# Altium PCB PCB2.PcbDoc
Units mm, origin at the board's own origin, x right, y up, seen from the top; angles counter-clockwise.
Board outline 60.75 x 60.75 mm, 2 copper layers (Top Layer, Bottom Layer); 85 components, 59 nets, 353 pads, 49 vias.
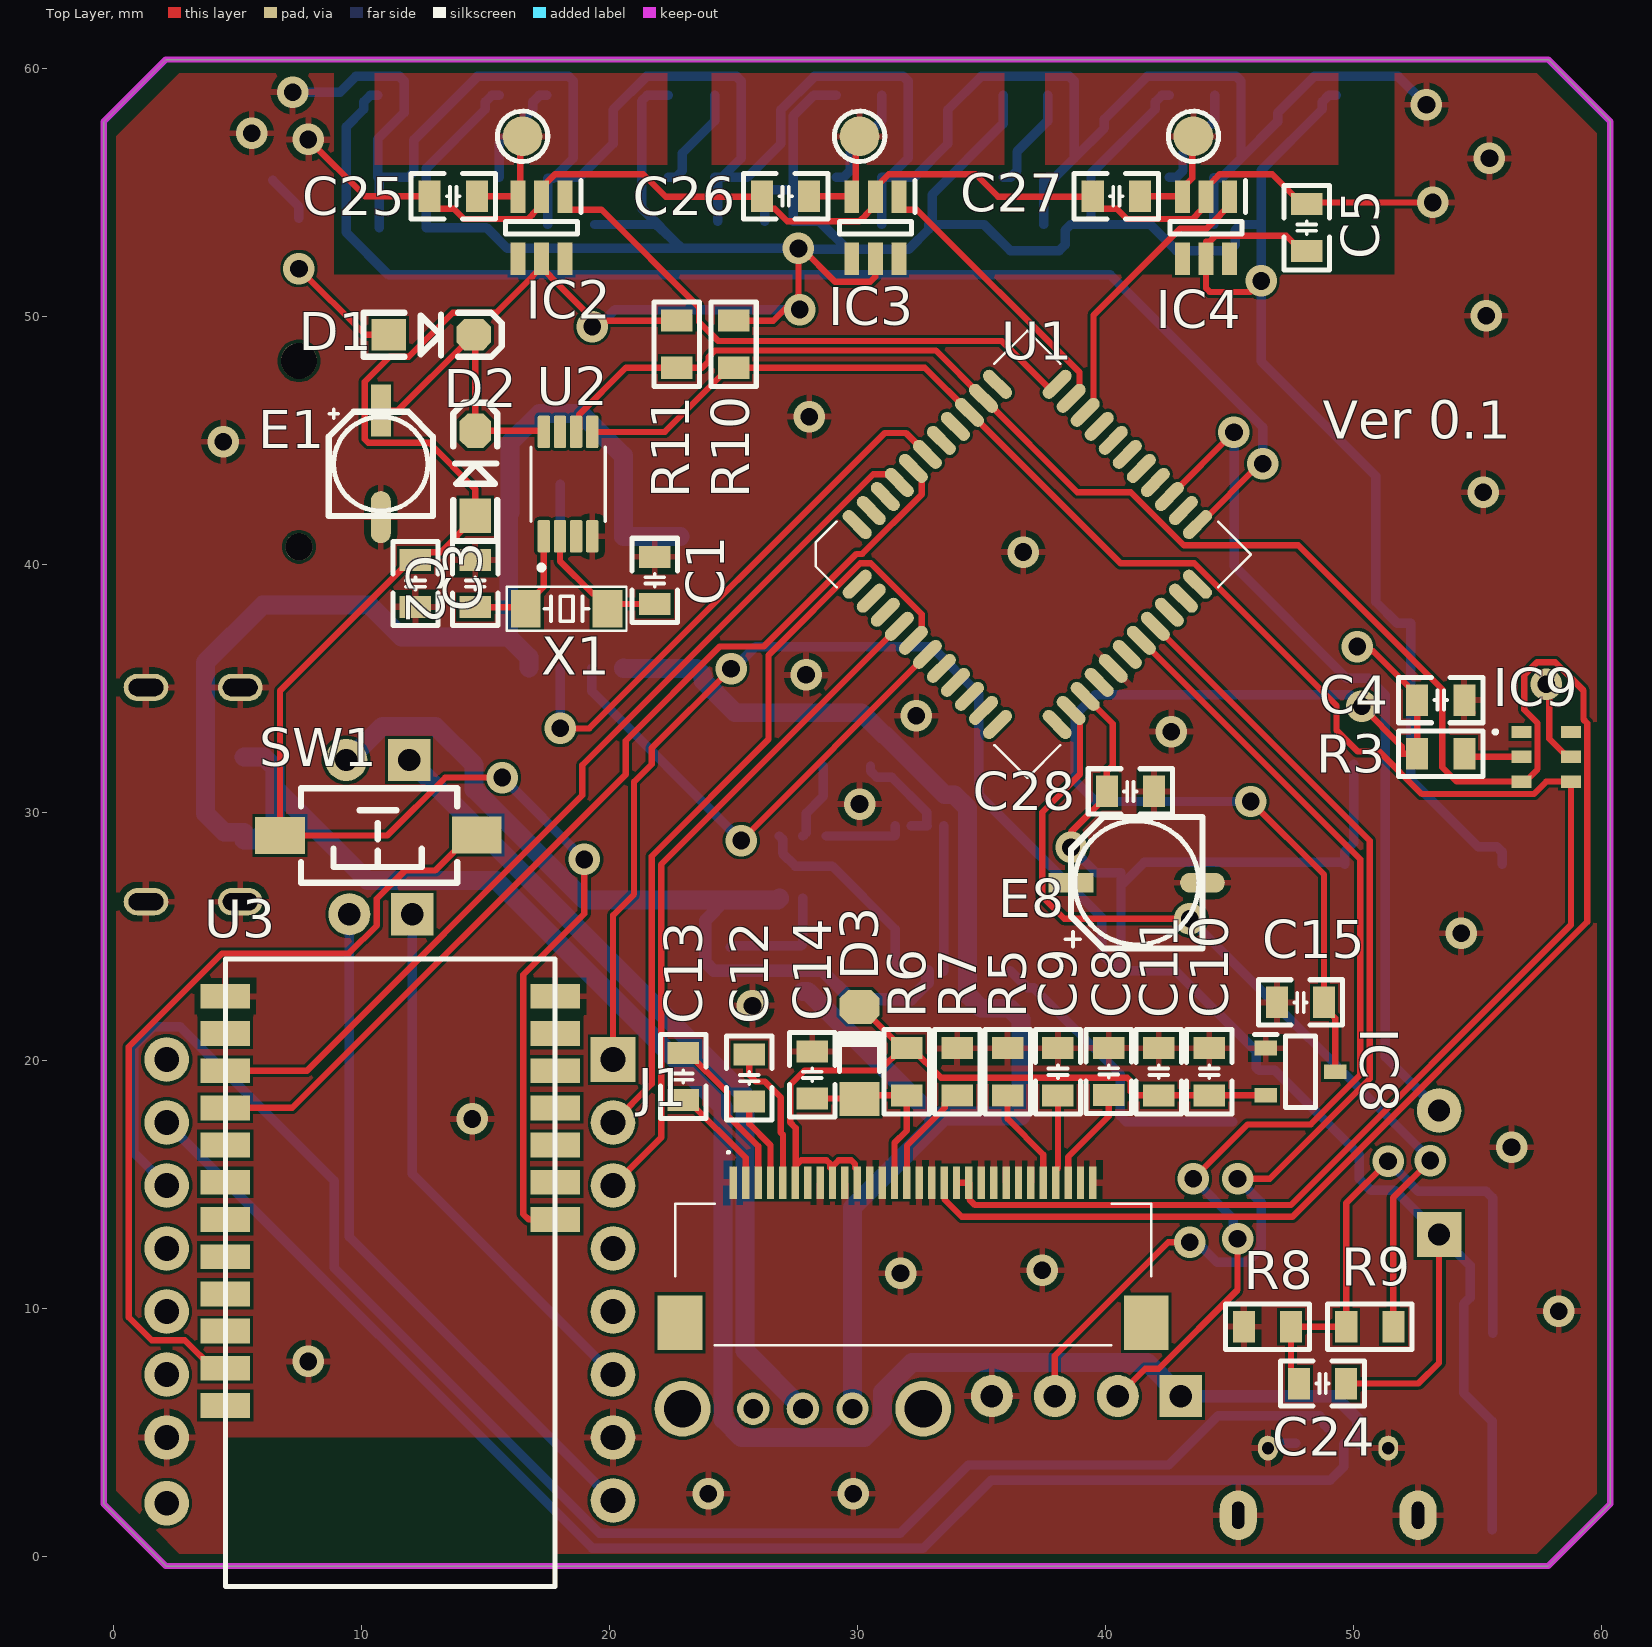
[diagram p0: Top Layer view]
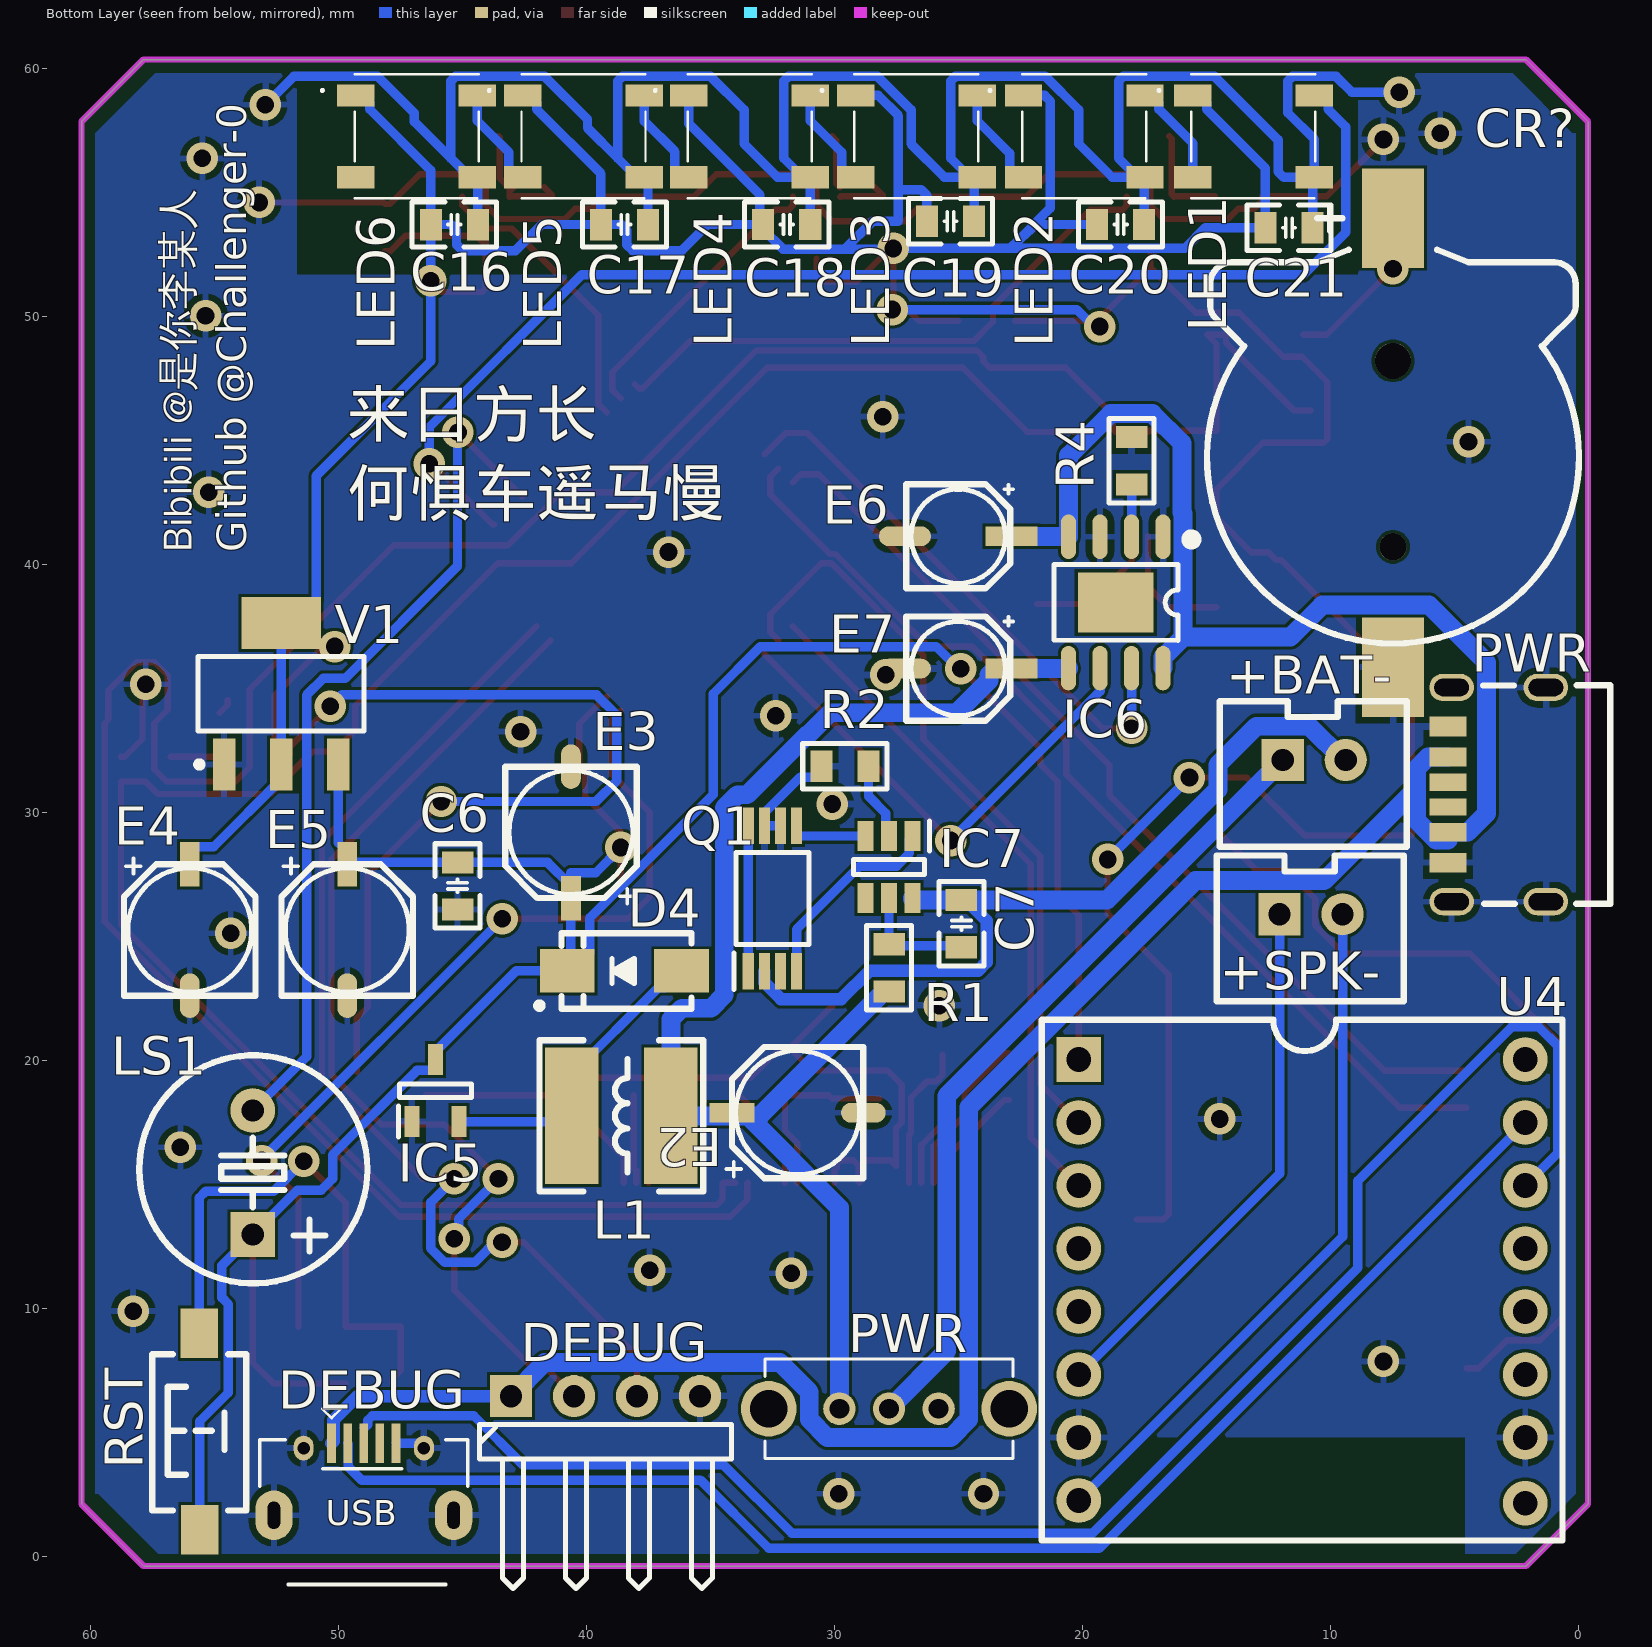
[diagram p1: Bottom Layer view, seen from below]

## Layer stack, top to bottom
Top Solder: solder mask 0.0102, Solder Resist, Dk 3.5
Top Layer: signal copper 0.0356
Dielectric 1: dielectric 0.32, FR-4, Dk 4.8
Bottom Layer: signal copper 0.0356
Bottom Solder: solder mask 0.0102, Solder Resist, Dk 3.5

## Board outline
-0.373,2.127 -0.373,57.873 2.127,60.373 57.873,60.373 60.373,57.873 60.373,2.127 57.873,-0.373 2.127,-0.373

## Design rules (kind name [scope] priority, off if disabled: settings)
Clearance Clearance_1 [IsNet vs IsPad] p1: gap=0.127 ignorepadtopadclearanceinfootprint=FALSE
Clearance PadToPad [IsPad vs IsPad] p2: gap=0.127 ignorepadtopadclearanceinfootprint=FALSE
Clearance [All] p3: gap=0.127 ignorepadtopadclearanceinfootprint=FALSE
MinimumSolderMaskSliver [All] p1: minsoldermaskwidth=0.051
PolygonConnect [All] p1: connectstyle=Relief reliefconductorwidth=0.254 reliefentries=4 polygonreliefangle="90 Angle" airgapwidth=0.254
RoutingVias [All] p1: holewidth=0.711 width=1.27 viastyle="Through Hole" minholewidth=0.711 minwidth=1.27 maxholewidth=0.711 maxwidth=1.27
SilkToSilkClearance [All] p1: silktosilkclearance=0
SilkToSolderMaskClearance [IsPad] p1: minsilkscreentomaskgap=0 clearancetoexposedcopper=TRUE
SolderMaskExpansion [All] p1: expansion=0.102 istentingtop=FALSE
Width [All] p1: maxlimit=1.27 minlimit=0.254 preferedwidth=0.762 toplayer_maxwidth=0.508 toplayer_prefwidth=0.254 minimp=50.000000 maximp=50.000000 favimp=50.000000
27 further rules are at their usual default settings.

## Classes and differential pairs
component class Sheet1: +BAT- +SPK- C1 C3 C4 C5 C6 C7 C8 C9 C10 C11 C12 C13 C14 C15 C16 C17 C18 C19 C20 C21 C24 C25 C26 C27 C28 CR? D1 D2 D3 D4 DEBUG E1 E2 E3 E4 E5 E6 E7 E8 IC2 IC3 IC4 IC5 IC6 IC7 IC8 IC9 J1 L1 LED1 LED2 LED3 LED4 LED5 LED6 LS1 PWR pwr Q1 R1 R2 R3 R4 R5 R6 R7 R8 R9 R10 R11 RST SW1 U1 U2 U3 U4 V1 X1

## Components (designator, comment, footprint, x,y, rotation, side; value= is the part's Value field where it differs from the comment)
+BAT- "HDR-1X2" XH2.54-LI-2P 10.668,32.131 r180 bottom (schematic designator JP_BAT)
+SPK- "HDR-1X2" XH2.54-LI-2P 10.795,25.908 r180 bottom (schematic designator JP_SPK)
C1 "15P" C0805_L 21.844,39.37 r270 top
C2 "15P" C0805_L 14.605,39.243 r90 top
C3 "104" C0805_L 12.192,39.243 r90 top
C4 "104" C0805_L 53.533,34.544 r180 top
C5 "104" C0805_L 48.133,53.594 r270 top
C6 "104" C0805_L 45.212,27.051 r90 bottom
C7 "104" C0805_L 24.892,25.527 r270 bottom
C8 "2.2uF" C0805_L 40.148,19.569 r270 top
C9 "4.7uF" C0805_L 38.1,19.558 r270 top
C10 "1uF" C0805_L 44.196,19.558 r270 top
C11 "1uF" C0805_L 42.164,19.558 r270 top
C12 "1uF" C0805_L 25.654,19.304 r90 top
C13 "1uF" C0805_L 22.987,19.365 r90 top
C14 "4.7uF" C0805_L 28.194,19.431 r270 top
C15 "104" C0805_L 47.879,22.352 r0 top
C16 "104" C0805_L 45.339,53.721 r180 bottom
C17 "104" C0805_L 38.481,53.721 r180 bottom
C18 "104" C0805_L 31.938,53.721 r180 bottom
C19 "104" C0805_L 25.334,53.848 r180 bottom
C20 "104" C0805_L 18.476,53.721 r180 bottom
C21 "104" C0805_L 11.684,53.594 r180 bottom
C24 "10uF" C0805_L 48.768,6.985 r180 top
C25 "104" C0805_L 13.716,54.864 r180 top
C26 "104" C0805_L 27.117,54.864 r180 top
C27 "104" C0805_L 40.452,54.864 r180 top
C28 "104" C0805_L 41.021,30.861 r0 top
CR? "1220" CR1220_A 7.493,44.323 r90 bottom
D1 "稳压二极管" SOD-123 12.827,49.276 r0 top
D2 "稳压二极管" SOD-123 14.605,43.688 r90 top
D3 "1N4148" "MINI_MELF (LL34)" 30.099,20.32 r90 top
D4 "SS14" SMA 38.481,23.622 r0 bottom
DEBUG "USB2.0_Micro-B" USB2.0_MICRO-B_1 48.992,1.672 r180 bottom (schematic designator MP3Player_Debug)
DEBUG "HDR-1X4" HDR2.54-WI-4P 39.243,6.477 r180 bottom (schematic designator JP_DEBUG)
E1 "10uF/16V" "CE B(4*5.4)" 10.795,44.069 r90 top
E2 "47uF/16V" "CE C(5*5.4)" 31.496,17.907 r0 bottom
E3 "47uF/16V" "CE C(5*5.4)" 40.64,29.21 r270 bottom
E4 "47uF/16V" "CE C(5*5.4)" 56.007,25.273 r90 bottom
E5 "47uF/16V" "CE C(5*5.4)" 49.657,25.273 r90 bottom
E6 "10uF/16V" "CE B(4*5.4)" 25.019,41.148 r180 bottom
E7 "10uF/16V" "CE B(4*5.4)" 25.019,35.814 r180 bottom
E8 "47uF/16V" "CE C(5*5.4)" 41.275,27.178 r180 top
IC2 "TTP223-BA6" SOT95P285X126-6N 17.272,53.594 r270 top
IC3 "TTP223-BA6" SOT95P285X126-6N 30.734,53.594 r270 top
IC4 "TTP223-BA6" SOT95P285X126-6N 44.069,53.594 r270 top
IC5 "ME2108A33M3G" SOT95P250X130-3N 46.101,18.796 r90 bottom
IC6 "TP4056" SOIC-8_EP 18.669,38.481 r270 bottom
IC7 "DW01A-G" SOT95P280X135-6N 27.813,27.813 r270 bottom
IC8 "XC6206P332MR" SOT95P280X130-3N 47.879,19.558 r0 top
IC9 "AHT20" AHT20 57.785,32.258 r0 top
J1 "046288030000846+" 046288030000846 32.258,11.811 r0 top
L1 "220uH" CD54 38.608,17.78 r0 bottom
LED1 "WS2812B-B" WS2812BB 13.118,57.276 r180 bottom
LED2 "WS2812B-B" WS2812BB 19.939,57.276 r180 bottom
LED3 "WS2812B-B" WS2812BB 26.707,57.276 r180 bottom
LED4 "WS2812B-B" WS2812BB 33.438,57.276 r180 bottom
LED5 "WS2812B-B" WS2812BB 40.132,57.276 r180 bottom
LED6 "WS2812B-B" WS2812BB 46.863,57.276 r180 bottom
LS1 "DC5V" "BEEP 5x9x5.5" 53.467,15.494 r180 bottom
PWR "S_BAT" SW_EG1213 27.813,5.969 r180 bottom (schematic designator S)
PWR "USB_TYPE-C_6Pin" USB-C-SMD_6P 3.302,30.734 r0 bottom (schematic designator USB1)
Q1 "FS8205A" SOP65P640X120-8N 32.512,26.543 r90 bottom
R1 "100R" R0805_L 27.813,23.749 r270 bottom
R2 "1K" R0805_L 29.591,31.877 r0 bottom
R3 "1K" R0805_L 53.533,32.385 r0 top
R4 "1.2K" R0805_L 18.034,44.196 r270 bottom
R5 "620K" R0805_L 36.068,19.558 r270 top
R6 "1K" R0805_L 32.004,19.558 r90 top
R7 "4.7K" R0805_L 34.036,19.558 r270 top
R8 "10K" R0805_L 46.548,9.271 r0 top
R9 "300R" R0805_L 50.673,9.271 r0 top
R10 "4.7K" R0805_L 25.019,48.895 r90 top
R11 "4.7K" R0805_L 22.733,48.895 r90 top
RST "3x6x5" "SW SMD-3*6*2.5" 55.626,5.08 r90 bottom (schematic designator SW_RST)
SW1 "3x6x5" "SW SMD-3*6*2.5" 10.668,29.083 r180 top
TP1 "TEST" "TEST 1.6" 16.51,57.277 r0 top
TP2 "TEST" "TEST 1.6" 30.099,57.277 r0 top
TP3 "TEST" "TEST 1.6" 43.561,57.277 r0 top
U1 "IAP15W4K58S4_LQFP44" LQFP44 30.005,39.217 r45 top
U2 "PCF8563TS/4,118" PCF8563TS/4,118 18.344,43.253 r90 top
U3 "ATK_HC05" ATK_HC05 11.176,14.351 r180 top
U4 "XY5200" "DFPlayer Mini" 2.159,11.159 r180 bottom
V1 "AMS1117-3V3" SOT223_L 52.324,34.798 r90 bottom
X1 "" XTAL-3215-2P 18.288,38.227 r0 top

## Footprints (in the part's own frame and the unit in brackets; to place one, negate y for a bottom-side part, rotate by r counter-clockwise, add the part's x,y. Pads: shape width x height; smd on the part's side, far side on the other; paste and mask are expansions set on the pad)
046288030000846 [mm]
  rect 0.3x1.3 smd: 1(-7.25,3.275) 2(-6.75,3.275) 3(-6.25,3.275) 4(-5.75,3.275) 5(-5.25,3.275) 6(-4.75,3.275) 7(-4.25,3.275) 8(-3.75,3.275) 9(-3.25,3.275) 10(-2.75,3.275) 11(-2.25,3.275) 12(-1.75,3.275) 13(-1.25,3.275) 14(-0.75,3.275) 15(-0.25,3.275) 16(0.25,3.275) 17(0.75,3.275) 18(1.25,3.275) 19(1.75,3.275) 20(2.25,3.275) 21(2.75,3.275) 22(3.25,3.275) 23(3.75,3.275) 24(4.25,3.275) 25(4.75,3.275) 26(5.25,3.275) 27(5.75,3.275) 28(6.25,3.275) 29(6.75,3.275) 30(7.25,3.275)
  rect 1.8x2.2 smd: MP1(-9.4,-2.375) MP2(9.4,-2.375)
  silkscreen extent -9.6,-3.27 9.6,4.55
AHT20 [mm]
  rect 0.8x0.5 smd: 1(-1,1) 2(-1,0) 3(-1,-1) 4(1,-1) 5(1,0) 6(1,1)
  silkscreen extent -2.1,0.95 -2,1.05, body extent -1.5,-1.5 1.5,1.5, height 1.2
ATK_HC05 [mm] "欢迎光临https://shop463601444.taobao.com 掌柜ID：黄晶宝石"
  rect 2x1 smd: 1(-6.65,0.75) 2(-6.65,-0.75) 3(-6.65,-2.25) 4(-6.65,-3.75) 5(-6.65,-5.25) 6(-6.65,-6.75) 7(-6.65,-8.25) 8(6.65,-8.25) 9(6.65,-6.75) 10(6.65,-5.25) 11(6.65,-3.75) 12(6.65,-2.25) 13(6.65,-0.75) 14(6.65,0.75) 15(6.65,2.25) 16(6.65,3.75) 17(6.65,5.25) 18(6.65,6.75) 19(6.65,8.25)
  silkscreen extent -6.65,-9.75 6.65,15.55
"BEEP 5x9x5.5" [mm] "5*9*5.5mm(脚距,直径,高度)        淘宝ID:黄晶宝石"
  rect 1.8x1.8 hole 0.9: 1(0,-2.5)
  round 1.8 hole 0.9: 2(0,2.5)
  silkscreen extent -4.58,-4.47 4.62,4.72, body extent -4.5,-4.5 4.5,4.5, height 5.45
C0805_L [mil] "贴片MLCC电容"
  rect 35x50 smd: 1(-37.4,0) 2(37.4,0)
  silkscreen extent -67,-36 67,36, body extent -39,-24 39,24, height 21
CD54 [mm] "5.8*5.2*4.5mm（长宽高）        淘宝ID:黄晶宝石"
  rect 2.15x5.5 smd: 1(-2,0) 2(2,0)
  silkscreen extent -3.3,-3.05 3.3,3.05, body extent -2.87,-2.5 2.87,2.5, height 4
"CE B(4*5.4)" [mm] "贴片电解电容，直径4mm，高5.4mm"
  rect 2.1x0.8 smd: 1(2.15,0)
  oval 2.1x0.8 smd: 2(-2.15,0)
  silkscreen extent -2.1,-2.1 2.2,2.1, body extent -2.3,-2.15 2.3,2.15, height 5.45
"CE C(5*5.4)" [mm] "贴片电解电容，直径5mm，高5.4mm"
  rect 1.8x0.8 smd: 1(2.65,0)
  oval 1.8x0.8 smd: 2(-2.65,0)
  silkscreen extent -2.65,-2.65 2.88,2.65, body extent -2.95,-2.65 2.95,2.65, height 5.48
CR1220_A [mm] "纽扣电池座                         淘宝ID:黄晶宝石"
  round 1.1 hole 1.1: 0(-3.6,0)
  round 1.45 hole 1.45: 0(3.9,0)
  rect 4x2.5 smd: 1(9.652,0) 2(-8.458,0)
  silkscreen extent -7.5,-7.5 10.16,7.5, body extent -9.42,-7.45 10.34,7.45, height 4.05
"DFPlayer Mini" [mm] "长：21mm ， 宽： 21mm，高：6mm"
  rect 1.8x1.8 hole 1: 1(-18,8.89)
  round 1.8 hole 1: 2(-18,6.35) 3(-18,3.81) 4(-18,1.27) 5(-18,-1.27) 6(-18,-3.81) 7(-18,-6.35) 8(-18,-8.89) 9(0,-9) 10(0,-6.35) 11(0,-3.81) 12(0,-1.27) 13(0,1.27) 14(0,3.81) 15(0,6.35) 16(0,8.89)
  silkscreen extent -19.5,-10.5 1.5,10.5, body extent -19.5,-10.5 1.5,10.5, height 6.02
HDR2.54-WI-4P [mm] "弯脚排针，4脚"
  rect 1.7x1.7 hole 0.9: 1(-3.81,0)
  round 1.7 hole 0.9: 2(-1.27,0) 3(1.27,0) 4(3.81,0)
  silkscreen extent -5.08,-7.76 5.08,-1.14, body extent -5.08,-7.77 5.08,1.27, height 4.9
LQFP44 [mm]
  oval 1.45x0.5 smd: 1(0,0) 2(0,-0.8) 3(0,-1.6) 4(0,-2.4) 5(0,-3.2) 6(0,-4) 7(0,-4.8) 8(0,-5.6) 9(0,-6.4) 10(0,-7.2) 11(0,-8) 23(11.4,-8) 24(11.4,-7.2) 25(11.4,-6.4) 26(11.4,-5.6) 27(11.4,-4.8) 28(11.4,-4) 29(11.4,-3.2) 30(11.4,-2.4) 31(11.4,-1.6) 32(11.4,-0.8) 33(11.4,0)
  oval 0.5x1.45 smd: 12(1.7,-9.7) 13(2.5,-9.7) 14(3.3,-9.7) 15(4.1,-9.7) 16(4.9,-9.7) 17(5.7,-9.7) 18(6.5,-9.7) 19(7.3,-9.7) 20(8.1,-9.7) 21(8.9,-9.7) 22(9.7,-9.7) 34(9.7,1.7) 35(8.9,1.7) 36(8.1,1.7) 37(7.3,1.7) 38(6.5,1.7) 39(5.7,1.7) 40(4.9,1.7) 41(4.1,1.7) 42(3.3,1.7) 43(2.5,1.7) 44(1.7,1.7)
  silkscreen extent -0.68,-10.38 12.07,2.38
"MINI_MELF (LL34)" [mm] "1.5*3.4mm(直径，脚距）"
  rect 1.37x1.62 smd: 1(-1.855,0)
  oct 1.37x1.62 smd: 2(1.855,0)
  silkscreen extent -0.76,-0.8 0.78,0.8, body extent -1.7,-0.75 1.7,0.75, height 1.5
PCF8563TS/4,118 [mm]
  rrect25% 1.31x0.5 smd: 1(-2.105,0.975) 2(-2.105,0.325) 3(-2.105,-0.325) 4(-2.105,-0.975) 5(2.105,-0.975) 6(2.105,-0.325) 7(2.105,0.325) 8(2.105,0.975)
  silkscreen extent -3.47,-1.5 1.5,1.5
R0805_L [mil] "1/8W贴片电阻"
  rect 35x50 smd: 1(-37.4,0) 2(37.4,0)
  silkscreen extent -67,-36 67,36, body extent -39,-25 39,25, height 20
SMA [mm] "4.5x2.6*2.2mm（长宽高，不包括引脚）"
  rect 2.2x1.75 smd: 1(-2.3,0) 2(2.3,0)
  silkscreen extent -2.7,-1.52 3.56,1.52, body extent -2.55,-1.3 2.55,1.3, height 2.15
SOD-123 [mil] "2.7x1.6X1.1mm（长宽高，不包括引脚） 淘宝ID:黄晶宝石"
  rect 55x50 smd: 1(-67.5,0)
  oct 55x50 smd: 2(67.5,0)
  silkscreen extent -108,-35 112,35, body extent -73,-31 73,31, height 50
SOIC-8_EP [mm] "5*6*1.8mm（长宽高"
  oval 1.8x0.61 smd: 1(-2.65,1.905) 2(-2.65,0.635) 3(-2.65,-0.635) 4(-2.65,-1.905) 5(2.65,-1.905) 6(2.65,-0.635) 7(2.65,0.635) 8(2.65,1.905)
  rect 2.413x3.048 smd paste-2: 9(0,0)
  rect 0.9x0.7 on Bottom Paste: 10(-0.625,-1.1) 10(-0.625,0) 10(-0.625,1.1) 11(0.65,-1.1) 11(0.65,0) 11(0.65,1.1)
  silkscreen extent -2.69,-2.5 1.52,3.2, body extent -3,-2.5 3,2.5, height 1.53
SOP65P640X120-8N [mm]
  rect 1.475x0.45 smd: 1(-2.938,0.975) 2(-2.938,0.325) 3(-2.938,-0.325) 4(-2.938,-0.975) 5(2.938,-0.975) 6(2.938,-0.325) 7(2.938,0.325) 8(2.938,0.975)
  silkscreen extent -3.67,-1.47 1.85,1.55, body extent -3.2,-1.47 3.2,1.46, height 1.2
SOT95P250X130-3N [mm]
  rect 1.25x0.6 smd: 1(-1.25,0.95) 2(-1.25,-0.95) 3(1.25,0)
  silkscreen extent -1.87,-1.45 0.27,1.5, body extent -1.25,-1.45 1.25,1.45, height 1.3
SOT95P280X130-3N [mm]
  rect 0.9x0.6 smd: 1(-1.4,0.95) 2(-1.4,-0.95) 3(1.4,0)
  silkscreen extent -1.85,-1.45 0.6,1.5, body extent -1.4,-1.45 1.4,1.45, height 1.3
SOT95P280X135-6N [mm]
  rect 1.2x0.65 smd: 1(-1.25,0.95) 2(-1.25,0) 3(-1.25,-0.95) 4(1.25,-0.95) 5(1.25,0) 6(1.25,0.95)
  silkscreen extent -1.85,-1.42 0.3,1.62, body extent -1.4,-1.43 1.4,1.43, height 1.35
SOT95P285X126-6N [mm]
  rect 1.3x0.6 smd: 1(-1.25,0.95) 2(-1.25,0) 3(-1.25,-0.95) 4(1.25,-0.95) 5(1.25,0) 6(1.25,0.95)
  silkscreen extent -1.9,-1.45 0.25,1.6
SOT223_L [mm] "SOT223, 4-Leads, Body 6.5x3.5mm, Pitch 2.3mm, Lead Span 7mm, IPC High Density"
  rect 2.1x0.9 smd: 1(-2.85,2.3) 2(-2.85,0) 3(-2.85,-2.3)
  rect 2.1x3.2 smd: 4(2.85,0)
  silkscreen extent -2.97,-3.35 1.5,3.43, body extent -3.51,-3.25 3.51,3.25, height 1.65
"SW SMD-3*6*2.5" [mm] "3*6*2.5mm"
  rect 2x1.5 smd: 1(-3.996,-0.02) 2(3.937,0)
  silkscreen extent -3.21,-1.9 3.09,1.9, body extent -4,-1.75 4,1.75, height 2.59
SW_EG1213 [mm]
  round 1.308 hole 0.8: 1(-2,0) 2(0,0) 3(2,0)
  round 2.25 hole 1.5: P$4(-4.85,0) P$5(4.85,0)
  silkscreen extent -5,-2 5,2
"TEST 1.6" [mm] "测试点1.6mm"
  round 1.6 smd paste-1.6: 1(0,0)
  silkscreen extent -1.01,-1.02 1.02,1.02
USB2.0_MICRO-B_1 [mm] "micro型USB ，5.7*7.8*2.5mm  封装库来自淘宝ID:黄晶宝石"
  rect 0.35x1.6 smd: 1(-1.3,2.9) 2(-0.65,2.9) 3(0,2.9) 4(0.65,2.9) 5(1.3,2.9)
  oval 1.5x2 hole 0.5 slot 1.1 at 90 deg: 5(-3.625,0) 5(3.625,0)
  oval 0.8x1 hole 0.5: 5(-2.425,2.71) 5(2.425,2.71)
  silkscreen extent -4.19,-2.79 4.19,4.3, body extent -4,-2.71 4,2.89, height 2.8
USB-C-SMD_6P [mil] "封装库来自淘宝ID:黄晶宝石"
  oval 70.82x43.31 hole 27.56 slot 55.16 at 0 deg: 0(-77.75,-170.08) 0(-77.75,170.08) 0(71.85,-170.08) 0(71.85,170.08)
  rect 59x27.6 smd: A5(77.76,19.7) B5(77.76,-19.7)
  rect 59x29.9 smd: A9(77.76,-59.85) B9(77.76,59.85)
  rect 59x31.5 smd: A12(77.76,-108.25) B12(77.76,108.25)
  silkscreen extent -180,-174 22,174, body extent -172,-176 95,176, height 127